# Altium PCB 电磁阀V4.0.PcbDoc (part 2 of 2)
Units mm, origin at the board's own origin, x right, y up, seen from the top; angles counter-clockwise.
Board outline 110.22 x 105.88 mm, 2 copper layers (Top Layer, Bottom Layer); 183 components, 127 nets, 583 pads, 106 vias.
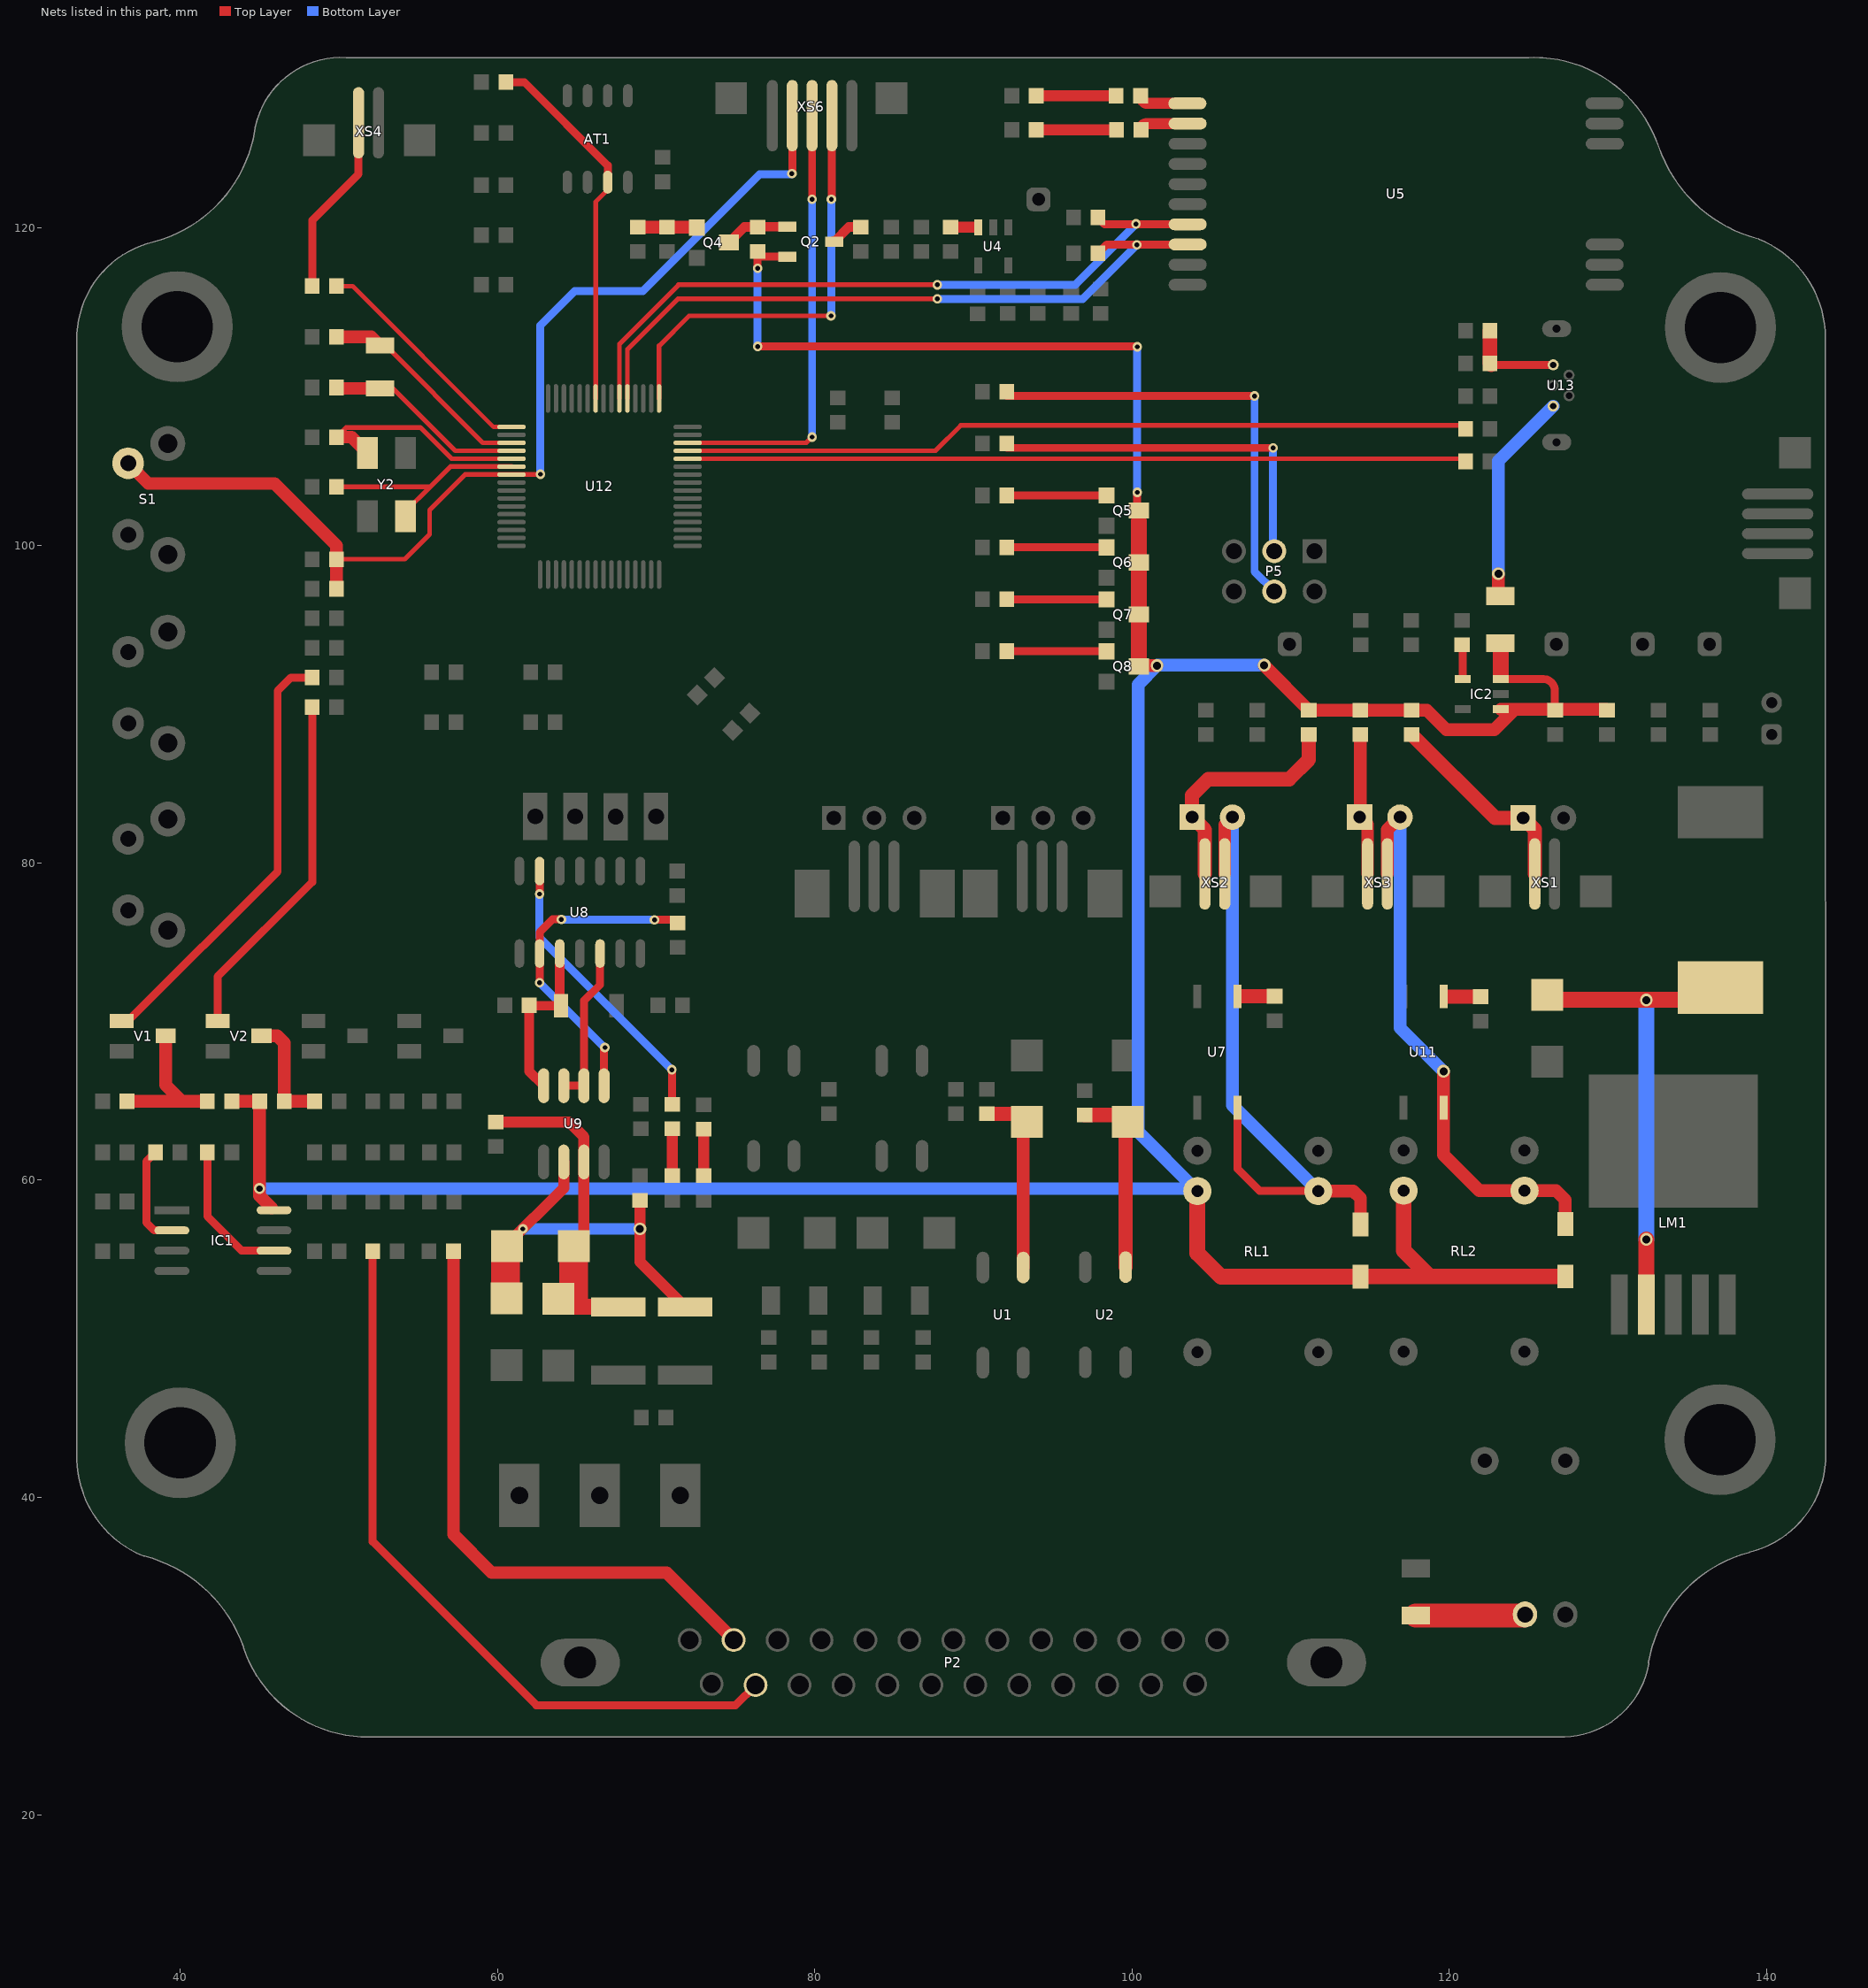
[diagram p2: the nets of this part, all layers, seen from the top]

## Via types
v1: diameter 0.6, hole 0.3, Top Layer to Bottom Layer, 63 vias
v2: diameter 0.8, hole 0.5, Top Layer to Bottom Layer, 41 vias
v3: diameter 1, hole 0.7, Top Layer to Bottom Layer, 1 vias
v4: diameter 0.7, hole 0.4, Top Layer to Bottom Layer, 1 vias

## Nets (pads, with @x,y where several pads share a name; then routed paths per layer and width w, separated by ;. In a path a pad name is that pad's centre, name@x,y a point inside that pad or via, vN(x,y) a via of type N, cw(c..) or ccw(c..) an arc to the next point about the centre after c; other vN are vias at no path point) (continued)
NetC23_2: C23.2 IC2.4 | length 2.2
  Top Layer w0.5: C23.2@120.802,93.736 120.841,93.698 IC2.4@120.841,91.577
NetC27_1: C27.1 U12.4 Y1.1 | length 12.1
  Top Layer w0.3: Y1.1@53.188,109.906 53.416,109.906 57.351,105.971 U12.4@60.892,105.971
  Top Layer w0.8: C27.1@49.868,109.957 49.919,109.906 Y1.1@52.603,109.906
NetC28_1: C28.1 U12.3 Y1.2 | length 13.8
  Top Layer w0.3: Y1.2@52.603,112.598 52.959,112.598 59.086,106.471 U12.3@60.892,106.471
  Top Layer w0.8: C28.1@49.868,113.157 52.045,113.157 Y1.2@52.603,112.598
NetC30_1: C30.1 U12.6 Y2.1 | length 13.8
  Top Layer w0.3: C30.1@49.868,103.708 55.778,103.708 ; Y2.1@54.21,102.14 55.778,103.708 ; U12.6@60.892,104.971 57.041,104.971 55.778,103.708
NetC31_1: C31.1 U12.5 Y2.3 | length 14.4
  Top Layer w0.3: C31.1@49.868,106.832 50.478,107.442 55.143,107.442 57.115,105.471 U12.5@60.892,105.471
  Top Layer w0.8: C31.1@49.868,106.832 50.813,106.832 Y2.3@51.81,105.835
NetC33_2: C33.2 R61.2 U13.5 | length 6.1
  Top Layer w0.5: C33.2@122.64,111.388 U13.5@126.543,111.388
  Top Layer w0.9: R61.2@122.553,113.533 C33.2@122.553,111.475 C33.2@122.64,111.388
NetD1_2: D1.2 R1.2 U1.1 | length 11.9
  Top Layer w0.8: D1.2@93.006,64.178 93.142,64.042 U1.1@93.142,54.486
  Top Layer w0.9: R1.2@90.856,64.178 D1.2@93.006,64.178
NetD2_2: D2.2 L1.1 LM1.2 | length 30.5
  Top Layer w1: D2.2@126.111,71.374 136.322,71.374 L1.1@137.084,72.136 ; LM1.2@132.412,52.146 v2(132.412,56.259)
  Bottom Layer w1: v2(132.41,71.349) 132.412,71.347 v2(132.412,56.259)
NetD3_2: D3.2 R10.2 U2.1 | length 12.7
  Top Layer w0.9: R10.2@97.003,64.102 99.698,64.102 99.74,64.143 100.076,63.808 99.593,63.325 U2.1@99.593,54.511
NetD5_A: D5.A R23.1 | length 5
  Top Layer w0.7: D5.A@93.963,128.346 R23.1@99.001,128.346
NetD6_A: D6.A R25.1 | length 5.1
  Top Layer w0.7: D6.A@93.963,126.213 R25.1@99.027,126.213
NetD8_1: D8.1 D9.1 F2.1 R40.2 U9.7 | length 20.3
  Top Layer w0.7: R40.2@59.893,63.66 64.508,63.66 65.455,62.714 U9.7@65.455,61.144 65.455,56.567 D9.1@64.71,55.823
  Top Layer w1: D8.1@63.854,52.513 64.363,52.004 F2.1@67.614,52.004
  Top Layer w1.8: D8.1@64.813,52.662 D9.1@64.813,55.83
NetD9_2: D9.2 D14.2 F3.1 R49.2 U9.6 | length 25.4
  Top Layer w0.7: D9.2@60.51,55.823 64.185,59.497 U9.6@64.185,61.144 ; R49.2@68.985,58.728 68.985,54.848 F3.1@71.83,52.004
  Top Layer w1.8: D9.2@60.51,55.823 60.51,52.606 D14.2@60.578,52.538
  Bottom Layer w0.7: v1(61.609,56.921) v2(68.986,56.921)
NetD10_1: D10.1 LED3.2 RL1.5 U7.4 XS2.1 | length 43.6
  Top Layer w0.5: U7.4@106.655,64.572 106.655,60.706 108.052,59.309 RL1.5@111.735,59.309
  Top Layer w0.8: XS2.1@105.842,79.297 105.842,82.398 LED3.2@106.324,82.88 ; RL1.5@111.735,59.309 113.944,59.309 114.402,58.852 D10.1@114.402,57.201
  Bottom Layer w0.8: LED3.2@106.324,82.88 106.324,64.719 RL1.5@111.735,59.309
NetD11_2: D11.2 R46.1 U8.10 U9.4 | length 10.7
  Top Layer w0.6: U9.4@62.915,65.944 62.008,66.851 R46.1@62.008,71.012 62.034,70.986 63.931,70.986 U8.10@63.931,74.279
NetD12_A: D12.A R42.1 | length 2.9
  Top Layer w0.7: D12.A@72.998,60.276 R42.1@72.998,63.206
NetD13_A: D13.A R45.1 | length 3
  Top Layer w0.7: D13.A@71.017,60.276 R45.1@71.017,63.231
NetD15_1: D15.1 LED5.2 RL2.5 U11.4 XS3.1 | length 36.7
  Top Layer w0.8: XS3.1@116.094,79.297 116.094,82.088 LED5.2@116.887,82.88 ; v2(119.634,66.853) U11.4@119.634,64.572 119.634,61.595 121.895,59.334 RL2.5@124.739,59.334 126.721,59.334 127.305,58.75 D15.1@127.305,57.226
  Bottom Layer w0.8: LED5.2@116.887,82.88 116.887,69.6 v2(119.634,66.853)
NetF1_2: F1.2 P1.1 | length 6.9
  Top Layer w1.5: F1.2@117.881,32.546 124.695,32.546 P1.1@124.762,32.614
NetF4_1: F4.1 U13.1 | length 13.5
  Top Layer w0.8: v2(123.088,98.222) 123.088,96.943 F4.1@123.215,96.816
  Bottom Layer w0.8: v2(123.088,98.222) 123.088,105.334 U13.1@126.543,108.788
NetIC1_2: IC1.2 R2.1 | length 6.5
  Top Layer w0.5: R2.1@38.448,61.747 37.871,61.171 37.871,57.328 38.374,56.825 IC1.2@39.483,56.825
NetIC1_6: IC1.6 R3.1 | length 9.1
  Top Layer w0.5: R3.1@41.724,61.747 41.724,57.717 43.891,55.55 IC1.6@45.923,55.55
NetLED3_1: LED3.1 R47.2 XS2.2 | length 15.2
  Top Layer w0.9: XS2.2@104.592,79.297 104.587,79.302 104.587,82.078 LED3.1@103.784,82.88 103.784,84.252 104.8,85.268 109.906,85.268 111.138,86.5 R47.2@111.138,88.079
NetLED5_1: LED5.1 R56.2 XS3.2 | length 9
  Top Layer w0.8: R56.2@114.383,88.079 114.383,82.88 114.844,82.419 XS3.2@114.844,79.297
NetP5_3: P5.3 R62.2 | length 23.3
  Top Layer w0.5: R62.2@92.108,106.152 108.895,106.152 v1(108.89,106.147)
  Bottom Layer w0.5: v1(108.89,106.147) 108.89,99.72 P5.3@108.966,99.644
NetP5_4: P5.4 R63.1 | length 28.4
  Top Layer w0.5: R63.1@92.108,109.423 v1(107.721,109.423)
  Bottom Layer w0.5: v1@107.721,109.347 107.721,98.349 P5.4@108.966,97.104
NetQ2_1: Q2.1 Q4.3 R27.1 | length 4.1
  Top Layer w0.6: Q4.3@74.6,119.102 75.572,120.074 R27.1@76.403,120.074 cw(c76.431,120.074) 76.431,120.101 Q2.1@78.281,120.101
NetQ2_3: Q2.3 R17.1 | length 2.1
  Top Layer w0.6: Q2.3@81.178,119.204 ccw(c81.231,119.204) Q2.3@81.231,119.151 82.153,120.074 R17.1@82.906,120.074
NetQ4_1: Q4.1 R31.2 R35.2 | length 3.7
  Top Layer w0.8: R31.2@68.859,120.074 R35.2@70.687,120.074 72.535,120.074 cw(c72.535,120.041) Q4.1@72.568,120.041
NetQ5_1: Q5.1 R38.2 | length 6.3
  Top Layer w0.5: R38.2@92.108,103.154 98.395,103.154 Q5.1@98.4,103.149
NetQ6_1: Q6.1 R50.1 | length 6.3
  Top Layer w0.5: R50.1@92.108,99.883 98.389,99.883 Q6.1@98.4,99.873
NetQ7_1: Q7.1 R51.2 | length 6.3
  Top Layer w0.5: R51.2@92.108,96.611 98.384,96.611 Q7.1@98.4,96.596
NetQ8_1: Q8.1 R54.1 | length 6.3
  Top Layer w0.5: R54.1@92.108,93.34 98.379,93.34 Q8.1@98.4,93.32
NetR4_1: R4.1 R6.1 V1.3 | length 9.6
  Top Layer w0.8: R6.1@36.66,64.973 40.107,64.973 ; V1.3@39.091,69.088 39.091,65.989 40.107,64.973 ; R4.1@41.724,64.973 40.107,64.973
NetR7_2: R7.2 V1.1 | length 27.6
  Top Layer w0.5: V1.1@36.322,70.028 36.728,70.028 46.152,79.451 46.152,90.83 47,91.679 R7.2@48.328,91.679
NetR11_1: R11.1 R13.1 V2.3 | length 6.7
  Top Layer w0.8: V2.3@45.669,69.088 46.126,69.088 46.566,68.648 R11.1@46.566,64.973 R13.1@48.481,64.973
NetR14_2: R14.2 V2.1 | length 22.3
  Top Layer w0.5: V2.1@42.367,70.028 42.367,72.822 48.328,78.783 R14.2@48.328,89.814
NetR21_2: R21.2 U4.3 | length 1.5
  Top Layer w0.7: R21.2@88.57,120.074 U4.3@90.119,120.074
NetR23_2: R23.2 U5.1 | length 3.2
  Top Layer w0.7: R23.2@100.541,128.346 ccw(c101.024,128.346) 101.024,127.864 U5.1@103.489,127.864
NetR25_2: R25.2 U5.2 | length 3.2
  Top Layer w0.7: R25.2@100.567,126.213 cw(c100.948,126.213) 100.948,126.594 U5.2@103.505,126.594
NetR37_1: R37.1 U7.1 | length 2.1
  Top Layer w0.9: 106.922,71.585 R37.1@108.991,71.585
NetR45_2: R45.2 U8.6 | length 18.2
  Top Layer w0.5: U8.6@62.661,79.479 v1(62.662,78.029) v1(62.662,78.029) ; v1(70.993,66.954) 71.017,66.93 R45.2@71.017,64.771
  Bottom Layer w0.5: v1(62.662,78.029) 62.636,78.003 62.636,75.311 v1(70.993,66.954)
NetR48_2: R48.2 U8.9 U9.1 | length 20.7
  Top Layer w0.5: v1(62.662,72.441) v1(62.662,72.441) U8.9@62.661,74.279 62.661,75.615 63.475,76.429 v1(64.033,76.429) ; U9.1@66.725,65.944 66.725,68.325 v1@66.751,68.351 ; v1(69.901,76.403) 71.322,76.403 R48.2@71.322,76.125
  Bottom Layer w0.5: v1(62.662,72.441) 66.751,68.351 v1(66.777,68.351) ; v1(64.033,76.429) 64.059,76.403 v1(69.901,76.403)
NetR52_1: R52.1 U11.1 | length 2.1
  Top Layer w0.9: 119.888,71.56 R52.1@121.971,71.56
NetR55_1: R55.1 XS4.2 | length 11.5
  Top Layer w0.5: R55.1@48.328,116.357 48.328,120.49 51.252,123.413 XS4.2@51.252,126.644
NetU8_12: U8.12 U9.2 U9.3 | length 10
  Top Layer w0.5: U9.3@64.185,65.944 U9.2@65.455,65.944 65.455,71.298 66.471,72.314 U8.12@66.471,74.279
Power: LED1.1 R9.2 XS1.2 | length 13
  Top Layer w0.9: R9.2@117.627,88.079 122.877,82.829 LED1.1@124.655,82.829 125.385,82.099 XS1.2@125.385,79.297
RESET: C32.1 R58.1 S1.2 U12.7 XS6.2 | length 66.8
  Top Layer w0.3: S1.2@36.728,105.181 S1.2@36.906,105.004 ; C32.1@49.868,99.136 54.162,99.136 55.728,100.702 55.728,102.235 57.963,104.471 U12.7@60.892,104.471 62.688,104.471 v1(62.713,104.496)
  Top Layer w0.5: v1@78.586,123.444 XS6.2@78.586,127.094
  Top Layer w0.8: S1.2@36.906,105.004 37.998,103.911 45.949,103.911 49.868,99.992 C32.1@49.868,99.136 R58.1@49.868,97.272
  Bottom Layer w0.5: v1(62.713,104.496) 62.713,113.868 64.872,116.027 69.164,116.027 76.537,123.4 78.562,123.4 v1(78.562,123.444)
RESETn: R30.2 U5.8 U12.53 | length 43.8
  Top Layer w0.3: U12.53@68.192,109.271 68.192,112.363 71.374,115.545 v1(87.732,115.545)
  Top Layer w0.5: R30.2@97.849,118.415 98.408,118.974 U5.8@103.505,118.974
  Bottom Layer w0.5: v1(87.732,115.545) 96.901,115.545 v1(100.305,118.948)
SWCLK: U12.49 XS6.4 | length 27.4
  Top Layer w0.3: U12.49@70.192,109.271 70.192,112.585 72.085,114.478 v1(81.026,114.478)
  Top Layer w0.5: v1@81.086,121.911 XS6.4@81.086,127.094
  Bottom Layer w0.5: v1@81.051,114.503 v1(81.051,121.818)
SWDIO: U12.46 XS6.3 | length 28.3
  Top Layer w0.3: U12.46@71.992,106.471 79.471,106.471 v1(79.832,106.832)
  Top Layer w0.5: v1(79.836,121.822) XS6.3@79.836,127.094
  Bottom Layer w0.5: v1@79.836,106.832 v1(79.836,121.822)
USBDM: R57.2 U12.44 | length 49.1
  Top Layer w0.3: U12.44@71.992,105.471 120.845,105.471 R57.2@121.013,105.303
USBDP: R59.2 U12.45 | length 49.8
  Top Layer w0.3: U12.45@71.992,105.971 87.607,105.971 89.205,107.569 120.805,107.569 R59.2@121.013,107.36
VCC5V: C22.2 D10.2 D15.2 F4.2 IC1.8 IC2.1 IC2.3 Q2.2 Q5.3 Q6.3 Q7.3 Q8.3 R4.2 R8.2 R9.1 R11.2 R27.2 R47.1 R56.1 RL1.2 RL2.2 | length 228.2
  Top Layer w0.5: v1(76.403,112.547) 100.305,112.547 v1(100.33,112.522) ; v1(76.403,117.475) R27.2@76.403,118.534 76.736,118.201 Q2.2@78.281,118.201 ; v1(100.33,103.353) 100.33,101.625 100.432,101.524 ; F4.2@123.215,93.836 cw(c123.215,93.811) F4.2@123.241,93.811 ; IC2.3@123.561,91.577 125.923,91.577 cw(c125.923,90.856) 126.644,90.856 C22.2@126.644,89.677
  Top Layer w0.8: R4.2@43.264,64.973 R11.2@45.026,64.973 45.009,64.956 v4(45.009,59.461) 45.009,59.014 IC1.8@45.776,58.247 ; Q8.3@100.432,92.38 100.482,92.431 v2(101.575,92.431) ; v2(108.331,92.456) 108.331,92.426 R47.1@111.138,89.619 R56.1@114.383,89.619 R9.1@117.627,89.619 118.585,89.619 119.812,88.392 122.834,88.392 124.062,89.619 ; IC2.1@123.241,89.677 126.644,89.677 R8.2@129.871,89.677
  Top Layer w1: Q8.3@100.432,92.38 Q7.3@100.432,95.656 Q6.3@100.432,98.933 100.432,101.524 ; RL1.2@104.115,59.309 104.115,55.397 105.613,53.899 D10.2@114.402,53.899 114.427,53.924 118.745,53.924 ; RL2.2@117.119,59.334 117.119,55.55 118.745,53.924 ; 123.241,91.897 F4.2@123.241,93.811 ; D15.2@127.305,53.924 118.745,53.924
  Bottom Layer w0.5: v1@76.403,112.522 v1(76.403,112.547) v1(76.403,117.475) ; v1@100.33,103.2 v1(100.33,103.353) v1(100.33,112.522)
  Bottom Layer w0.8: v4(45.009,59.461) RL1.2@103.962,59.461 ; RL1.2@104.115,59.309 RL1.2@103.962,59.461 ; v2(108.331,92.456) 101.6,92.456 v2(101.575,92.431) 100.381,91.237 100.381,63.043 RL1.2@103.962,59.461
VIN1: P2.15 R20.1 | length 47.3
  Top Layer w0.5: R20.1@52.138,55.524 52.138,37.219 62.459,26.899 75.011,26.899 P2.15@76.283,28.171
VIN2: P2.2 R32.1 | length 38.3
  Top Layer w0.8: R32.1@57.234,55.524 57.234,37.66 59.639,35.255 70.654,35.255 P2.2@74.898,31.011
VRTC: R55.2 U12.1 | length 14.7
  Top Layer w0.279: R55.2@49.868,116.357 50.876,116.357 59.763,107.471 U12.1@60.892,107.471
Wake_UP: R28.2 U5.7 U12.54 | length 45
  Top Layer w0.3: U12.54@67.692,109.271 67.692,112.701 71.425,116.434 v1(87.732,116.434)
  Top Layer w0.5: R28.2@97.849,120.675 98.281,120.244 U5.7@103.505,120.244
  Bottom Layer w0.5: v1(87.732,116.434) 96.418,116.434 v1(100.254,120.269)
WP: AT1.7 R64.1 U12.57 | length 23.6
  Top Layer w0.3: U12.57@66.192,109.271 66.192,121.656 66.954,122.418 AT1.7@66.954,122.903
  Top Layer w0.5: R64.1@60.536,129.21 61.697,129.21 66.954,123.952 AT1.7@66.954,122.903
pads on no net: LM1.0 P2.0 P3.0 P4.0 S1.0 S2.0 S3.0 U5.3 U5.11 U5.12 U5.13 U5.14 U5.15 U5.16 U12.2 U12.20 U12.21 U12.33 U12.34 U12.35 U12.36 U12.41 U12.50 U12.51 U12.52 U12.61 U12.62 U13. XS1.0 XS2.0 XS3.0 XS4.0 XS5.0 XS6.0
copper on no net: | length 354.8